# Altium PCB PCB_CAR.PcbDoc (part 1 of 3)
Units mil, origin at the board's own origin, x right, y up, seen from the top; angles counter-clockwise.
Board outline 3935 x 3900 mil, 4 copper layers (Top Layer, GND, PWR, Bottom Layer), stack 23.756 mil thick; 283 components, 268 nets, 1058 pads, 538 vias.
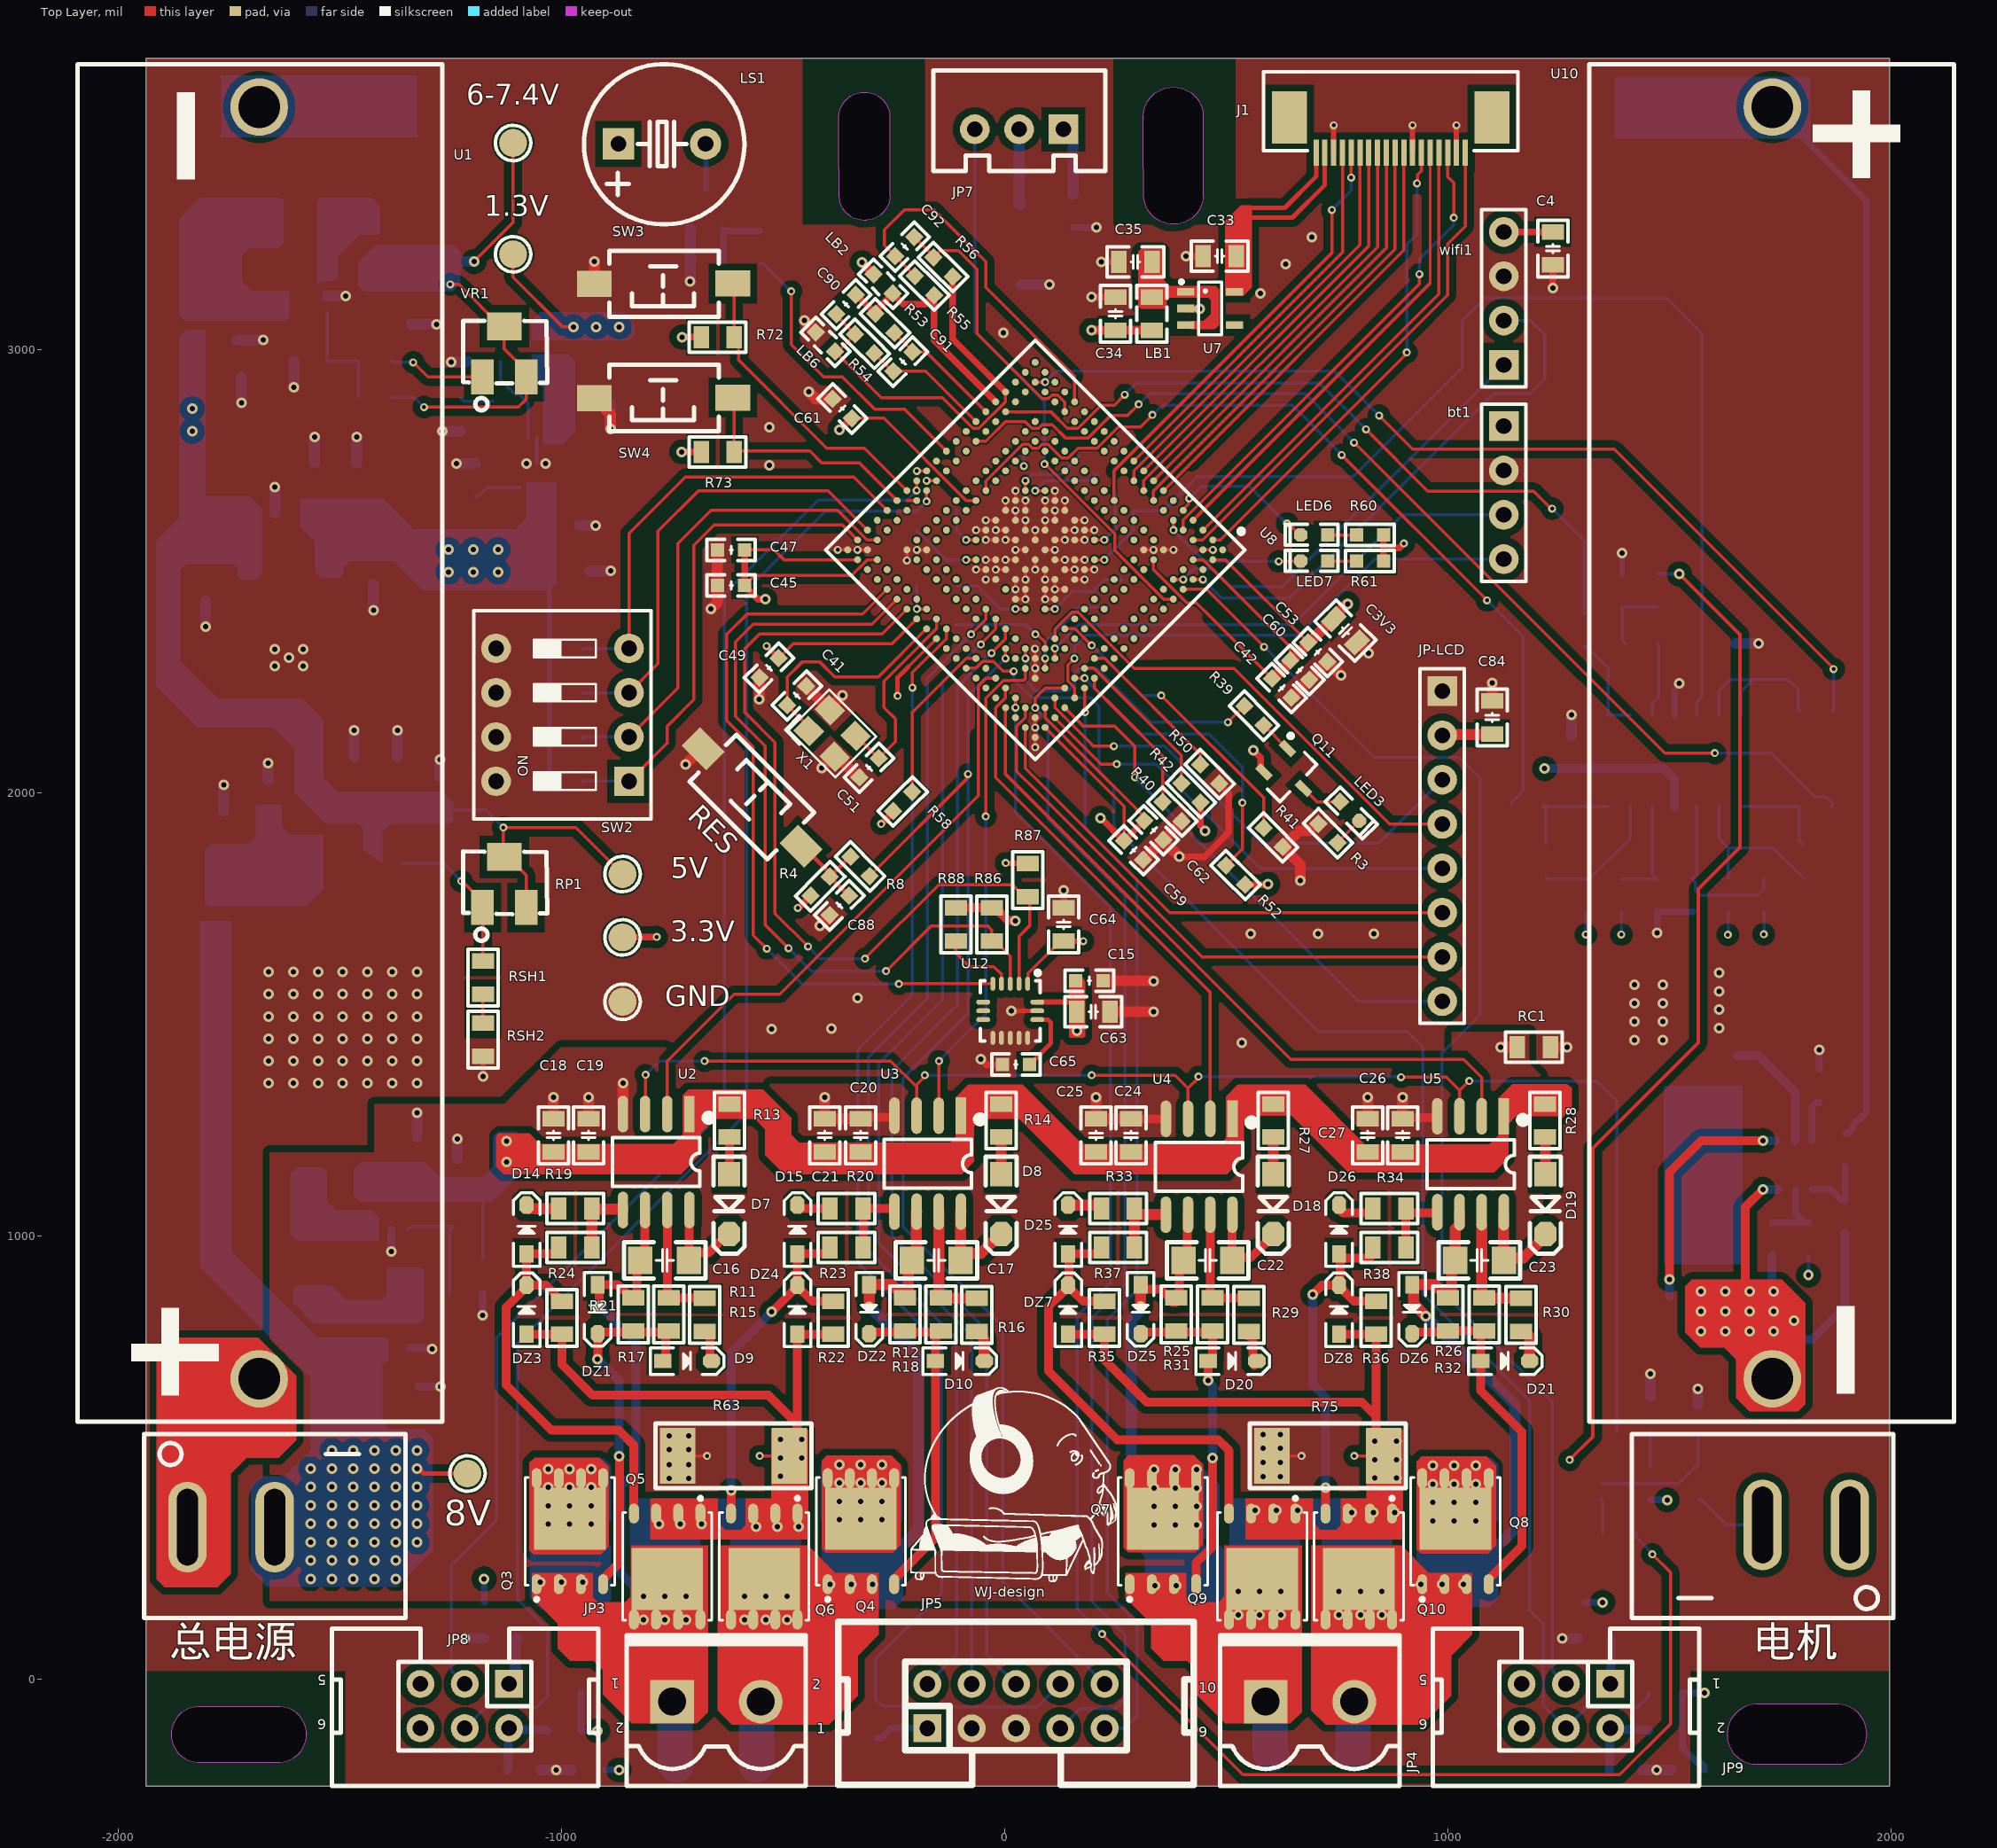
[diagram p0: Top Layer view]
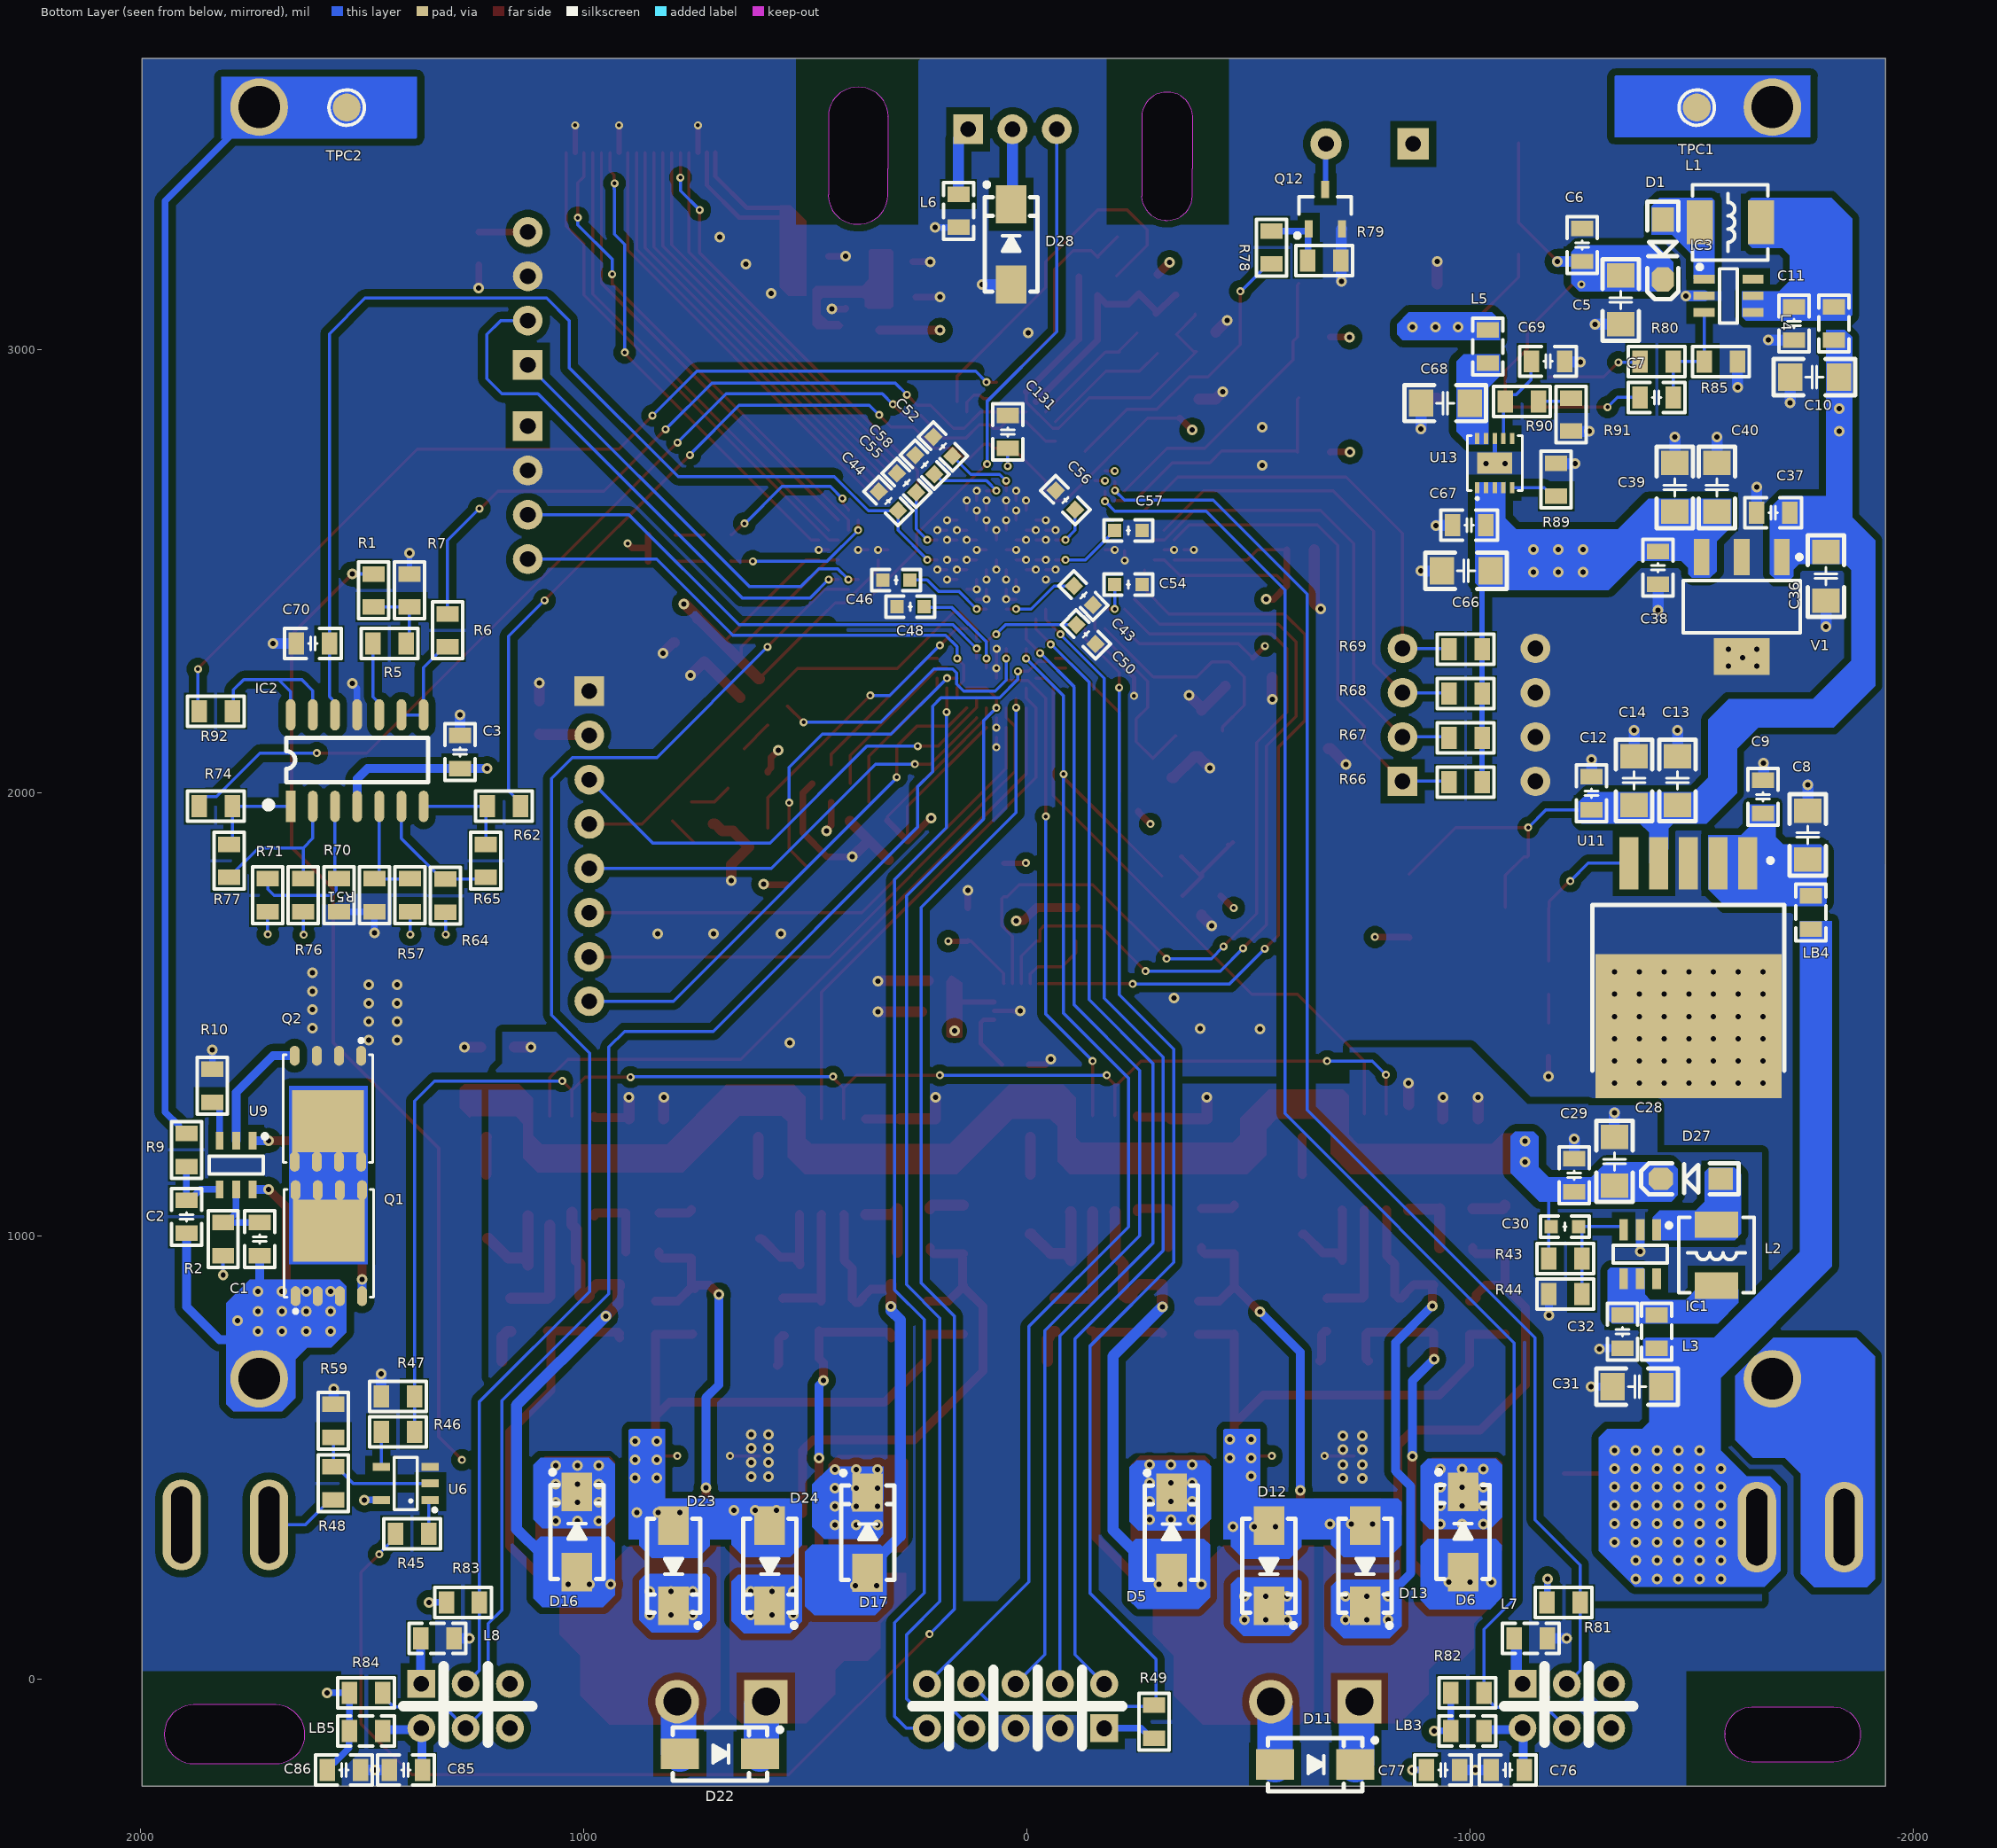
[diagram p1: Bottom Layer view, seen from below]
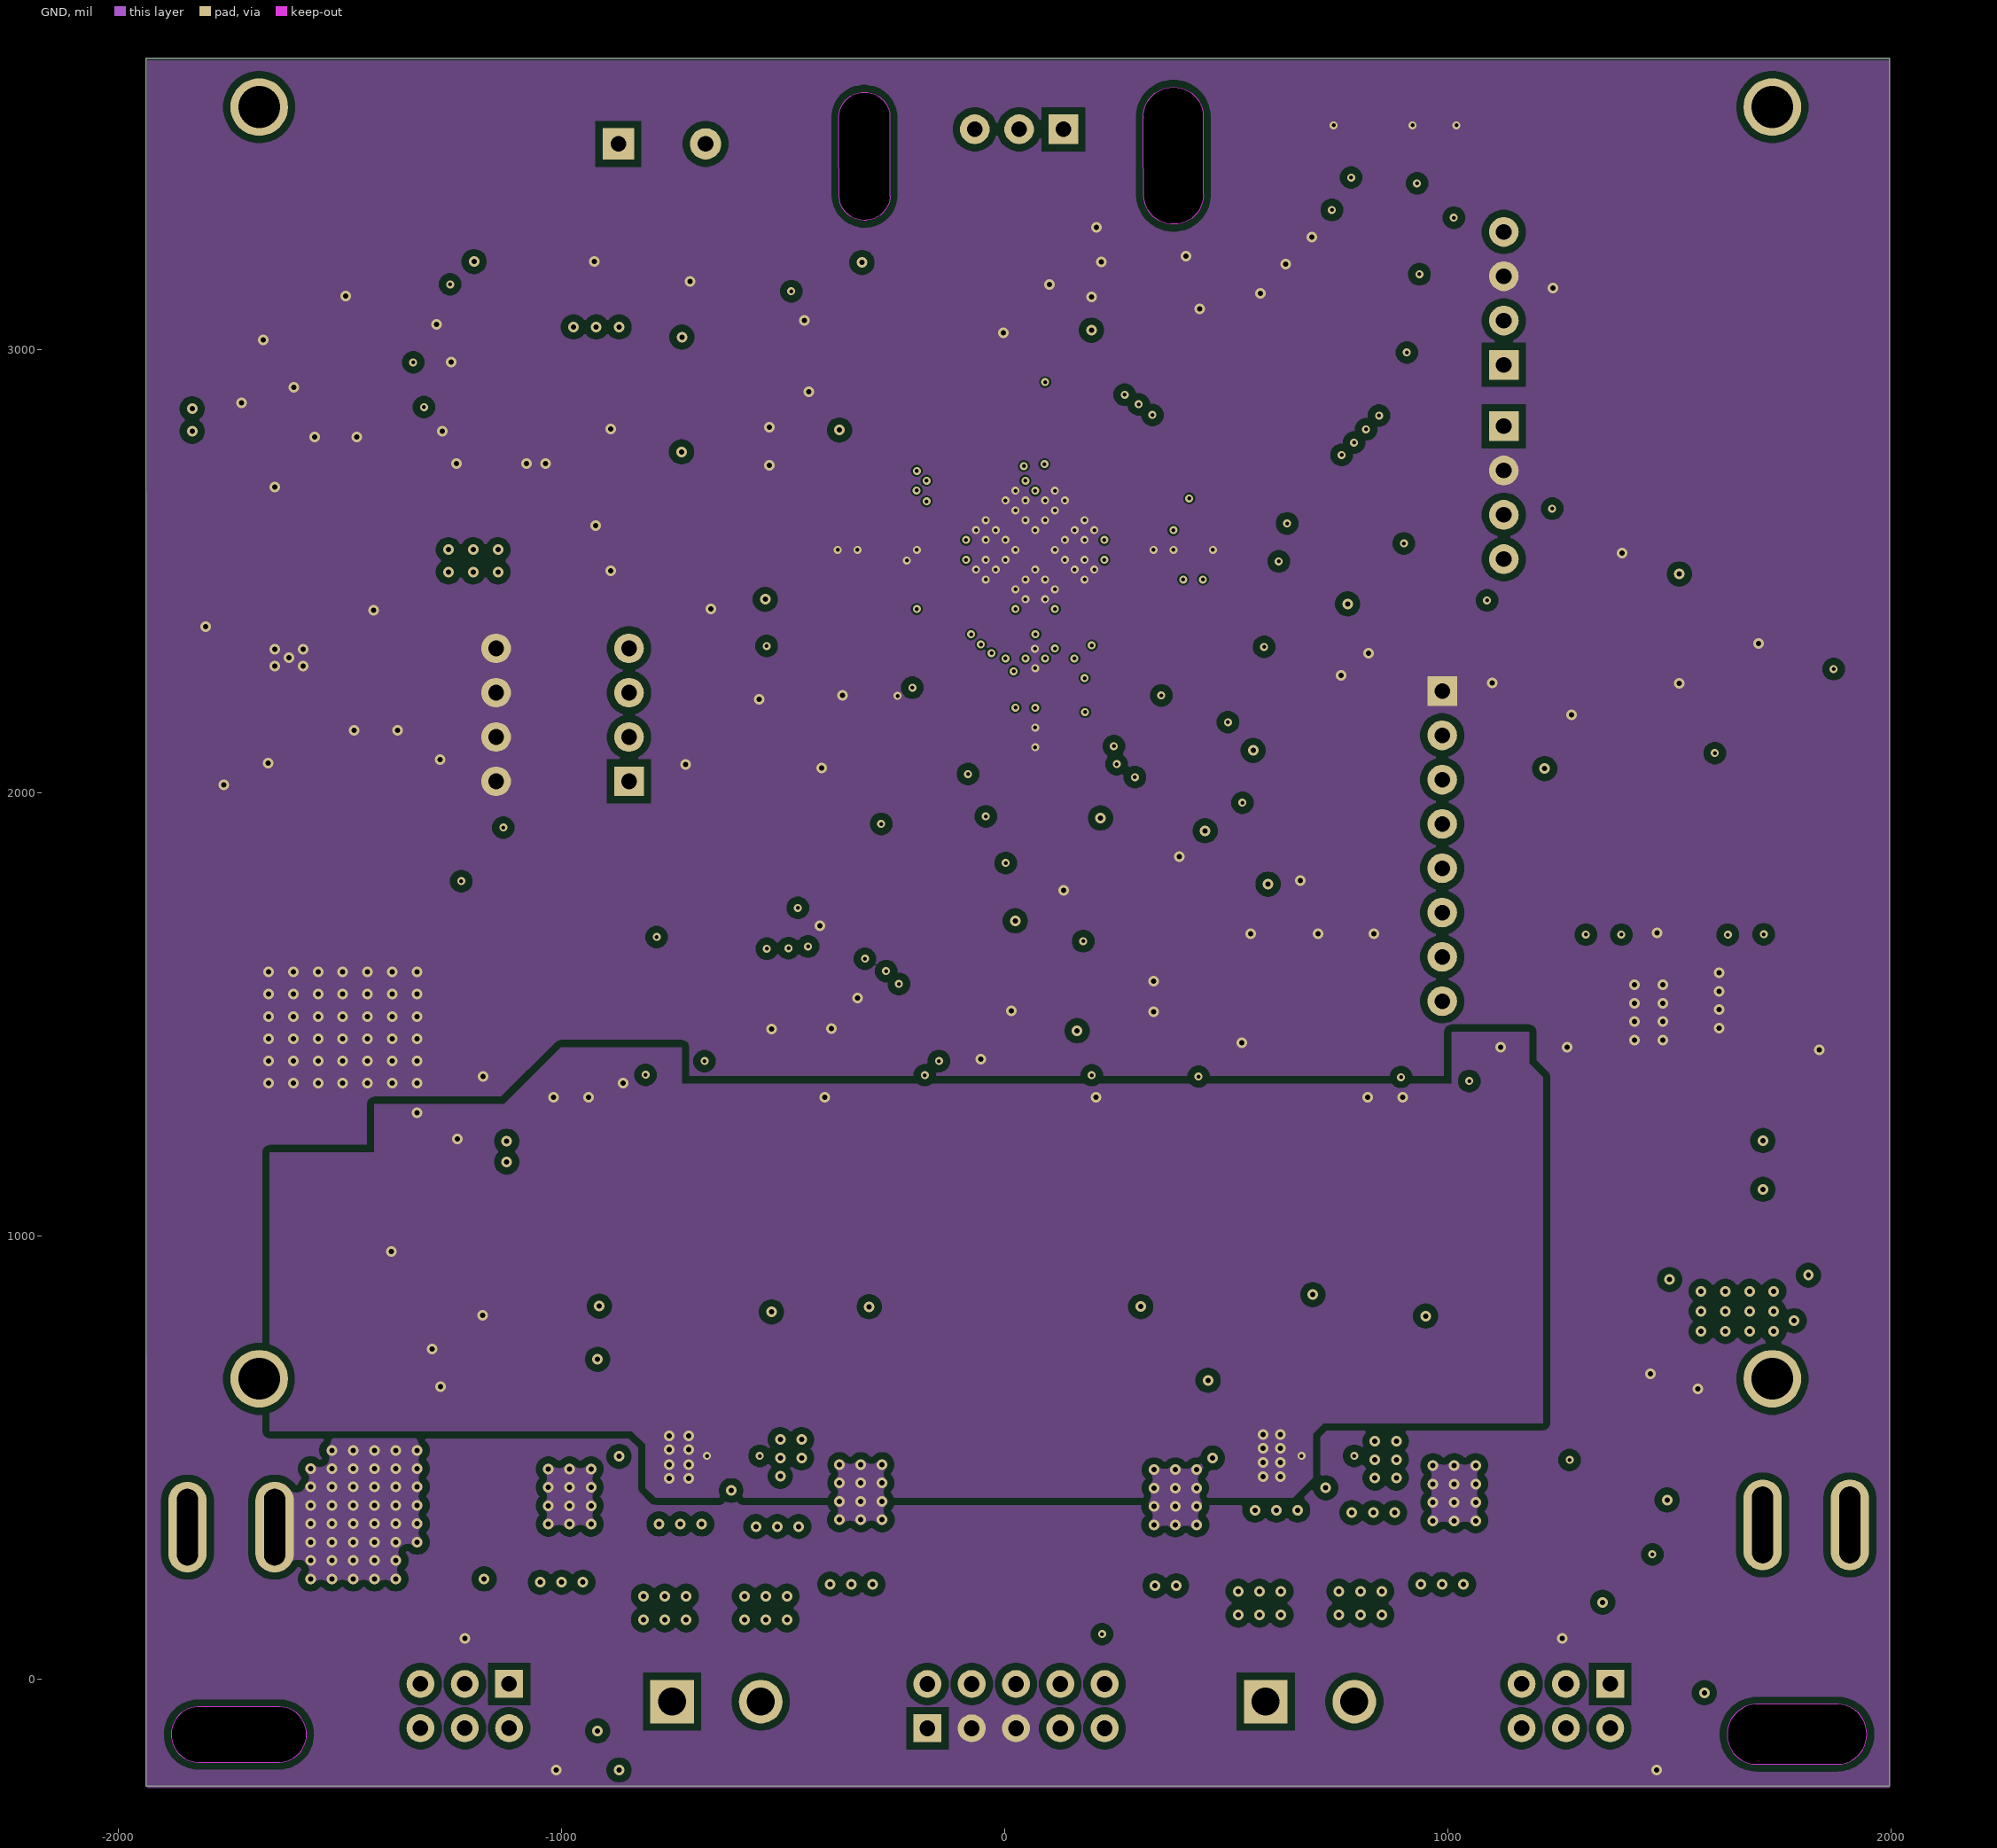
[diagram p2: GND]
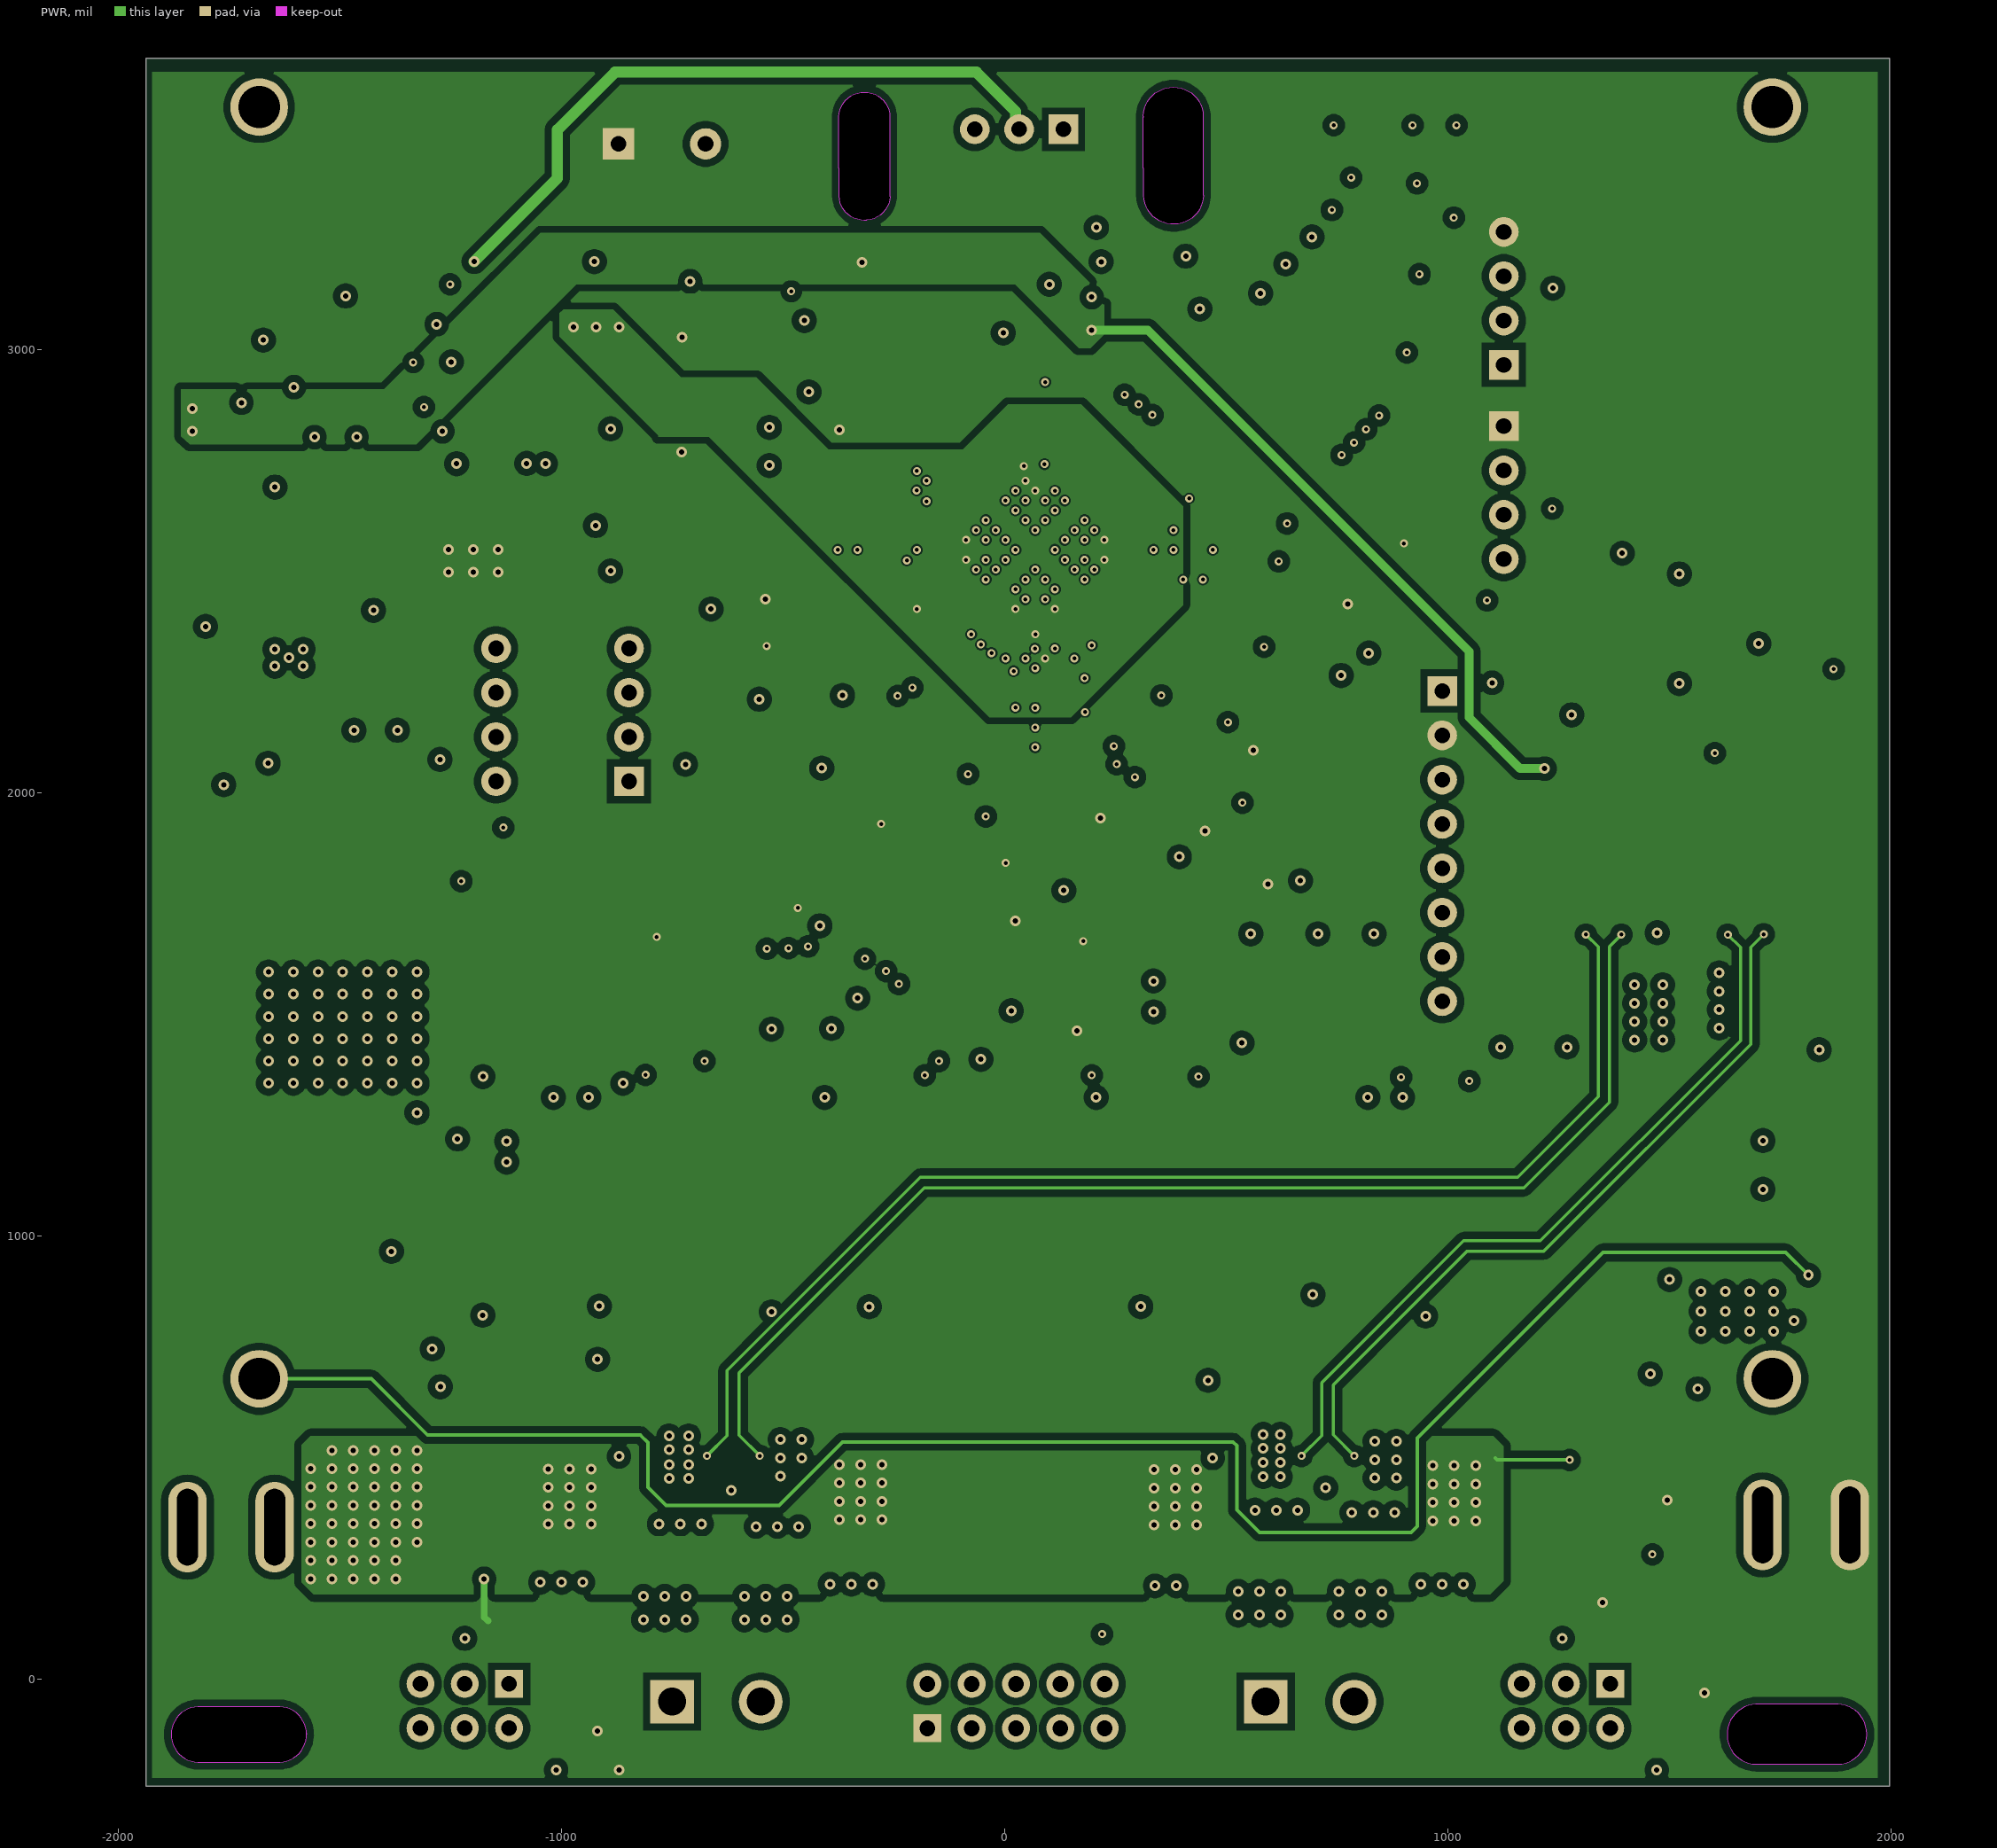
[diagram p3: PWR]

## Layer stack, top to bottom
Top Solder: solder mask 0.4, Solder Resist, Dk 3.5
Top Layer: signal copper 1.4
Dielectric 2: prepreg 2.8, PP-006, Dk 4.1
GND: signal copper 1.378
Dielectric 1: dielectric 12.6, FR-4, Dk 4.8
PWR: signal copper 1.378
Dielectric 3: prepreg 2.8, PP-006, Dk 4.1
Bottom Layer: signal copper 1.4
Bottom Solder: solder mask 0.4, Solder Resist, Dk 3.5

## Board outline
-1938.14,-241.82 1996.86,-241.82 1996.86,3658.18 -1938.14,3658.18
cut-out: -374.44,3408.75 ccw(c-379.46,3408.75) -374.73,3410.41 ccw(c-379.63,3411.43) -374.62,3411.43 -374.62,3526.38 cw(c-318.39,3525.18) -317.27,3581.42 cw(c-317.27,3580.74) -317.24,3581.42 ccw(c-317.14,3586.37) -317,3581.42 cw(c-315.89,3525.18) -259.65,3526.38 cw(c-262.4,3526.3) -259.65,3526.33 -259.65,3526.43 -259.65,3347.64 ccw(c-254.64,3347.64) -259.51,3346.44 cw(c-315.71,3348.71) -311.15,3292.65 ccw(c-311.53,3287.67) -311.96,3292.64 cw(c-316.95,3349.91) -314.61,3292.48 cw(c-315.71,3348.71) -316.85,3292.48 ccw(c-316.96,3287.47) -317.63,3292.43 cw(c-316.96,3349.96) -374.44,3347.57
cut-out: 312.52,3410.18 312.52,3525.18 cw(c317.54,3525.18) 312.68,3526.43 cw(c317.54,3527.68) 312.53,3527.78 cw(c378.79,3526.43) 380.04,3592.7 cw(c381.29,3526.43) 447.55,3527.78 cw(c442.93,3527.69) 447.55,3527.68 447.55,3350.04 cw(c442.72,3348.71) 447.73,3348.71 cw(c442.72,3348.71) 447.73,3348.61 cw(c381.47,3349.96) 382.87,3283.7 cw(c380.22,3351.21) 312.71,3348.51 cw(c317.69,3348.71) 312.7,3348.71 312.7,3408.85 cw(c317.54,3410.18)
cut-out: -1881.28,-124.96 ccw(c-1820.03,-126.21) -1821.28,-187.46 -1636.28,-187.46 ccw(c-1638.78,-124.96) -1576.28,-122.46 -1576.28,-124.96 ccw(c-1637.53,-123.71) -1636.28,-62.46 -1821.28,-62.46 ccw(c-1820.03,-123.71)
cut-out: 1629.99,-127.04 ccw(c1696.25,-125.64) 1694.9,-191.9 ccw(c1694.99,-187.28) 1695,-191.9 1879.97,-191.9 ccw(c1880,-186.89) 1880.1,-191.9 ccw(c1878.75,-125.64) 1945.03,-125.64 ccw(c1878.75,-125.64) 1945.02,-124.39 ccw(c1878.65,-123.14) 1945.03,-123.14 ccw(c1878.75,-123.14) 1880.1,-56.87 ccw(c1880.01,-61.5) 1880,-56.87 1695,-56.87 ccw(c1694.99,-61.64) 1694.8,-56.88 ccw(c1697.5,-124.39)

## Design rules (kind name [scope] priority, off if disabled: settings)
Clearance Clearance_BGA [WithinRoom('BGA')] p1: gap=4 ignorepadtopadclearanceinfootprint=FALSE
Clearance INPG [InPolygon] p2: gap=16 ignorepadtopadclearanceinfootprint=FALSE
Clearance [All] p3: gap=7 ignorepadtopadclearanceinfootprint=FALSE except(5: SMDPad-SMDPad)
ComponentClearance [All] p1: gap=1 collisioncheckmode=3 verticalgap=1 showdistances=FALSE
PlaneClearance [All] p1: clearance=10
PlaneConnect [All] p1: planeconnectstyle=Direct reliefexpansion=20 reliefentries=4 reliefconductorwidth=10 reliefairgap=10
PolygonConnect [All] p1: connectstyle=Direct reliefconductorwidth=10 reliefentries=4 polygonreliefangle="90 Angle" airgapwidth=10
RoomDefinition BGA [InComponentClass('Room Definition 1')] p1: confinementstyle=ConfineIn formatcopy=TRUE lockcomponents=FALSE outline 68.28,3097.34 616.93,2548.7 68.28,2000.05 -480.37,2548.7
RoutingVias RoutingVias_BGA [WithinRoom('BGA')] p1: holewidth=9 width=18 viastyle="Through Hole" minholewidth=9 minwidth=18 maxholewidth=9 maxwidth=18
RoutingVias [All] p2: holewidth=28 width=50 viastyle="Through Hole" minholewidth=12 minwidth=24 maxholewidth=250 maxwidth=400
SolderMaskExpansion [All] p1: expansion=4 istentingtop=FALSE
Width Width_BGA [WithinRoom('BGA')] p1: maxlimit=7 minlimit=7 preferedwidth=7
Width [All] p2: maxlimit=200 minlimit=7 preferedwidth=20
27 further rules are at their usual default settings.
